# KiCad board Combined.kicad_pcb (continued)
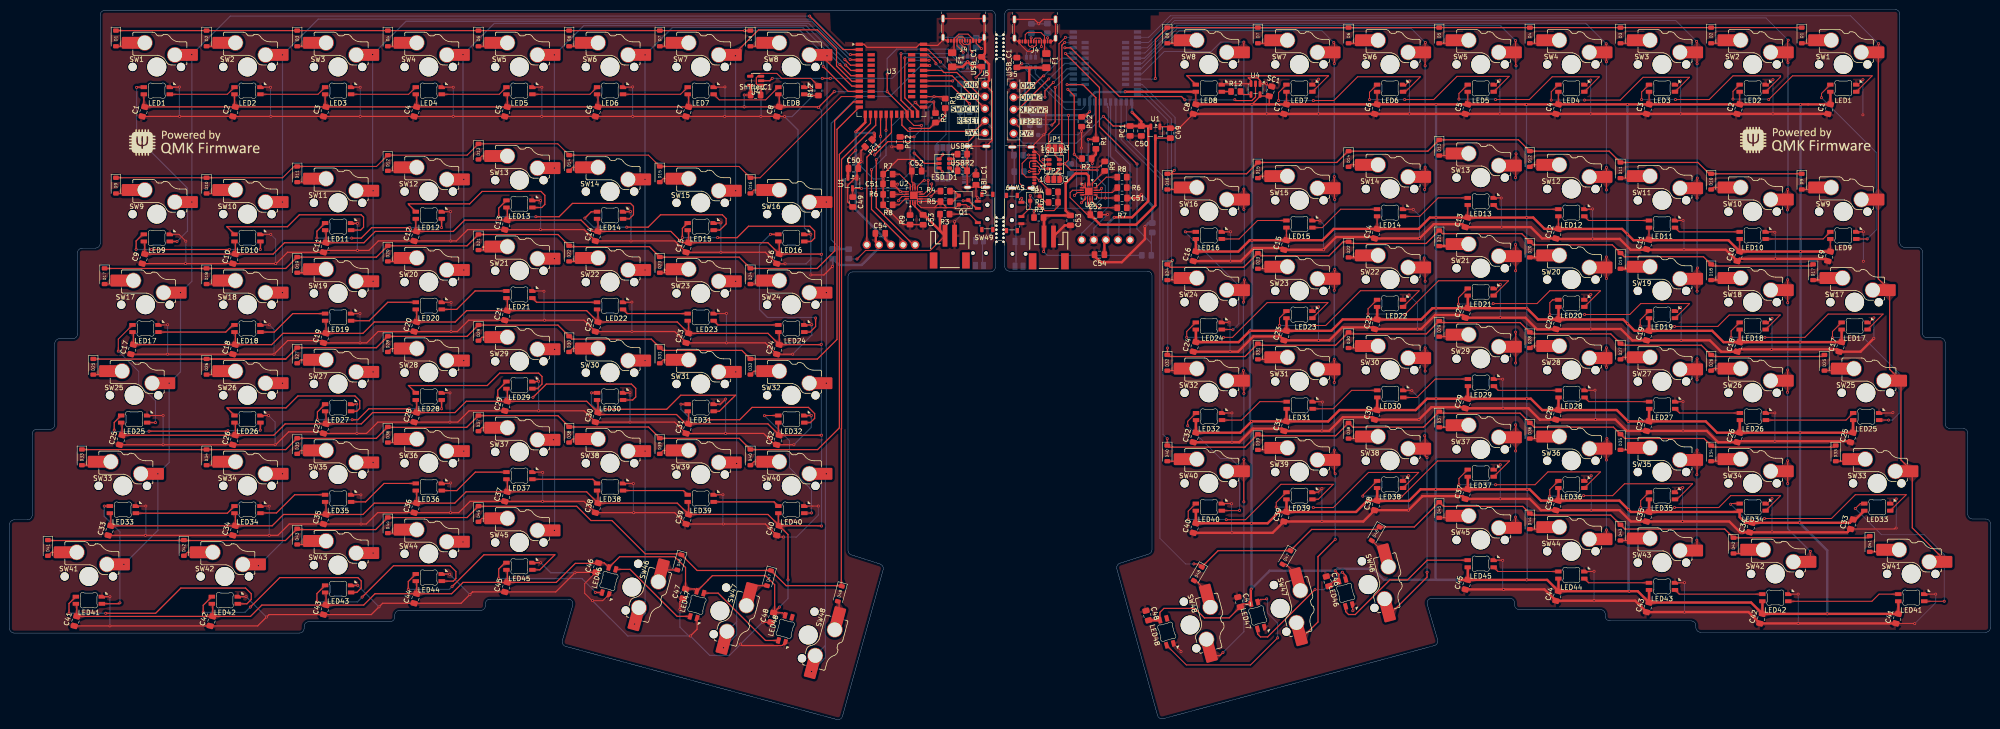
[diagram p0: board, top side]
## Routing (per net, layer and track width the routed paths; a pad name or vN(x,y) marks a point on that pad's centre or on a via; arc(x,y) is an arc through that point) (continued)
  Top w0.5: C53#2.2 221.77,103.93 J3.1 ; C25.1 386.7,58.52 v1(371.01,58.52) 363.3,58.52 C26.1 359.07,58.31 356.69,60.69 v1(351.71,60.69) C27#2.1 339.89,60.69 337.51,63.08 v1(333.31,63.08) C28#2.1 321.62,63.08 321.61,63.07 319.23,65.46 v1(313.91,65.46) C29.1 305.73,65.67 298.81,65.67 v1(296.22,63.08) C30.1 286.4,63.57 280.21,63.57 277.33,60.69 v1(275.81,60.69) C31.1 267.37,61.17 261.31,61.17 258.45,58.31 v1(256.91,58.31) C32#2.1 ; C50.2 178.39,116.78 v1(178.96,117.34) ; 364.31,39.37 C34.1 386.24,39.37 C33.1 ; 364.31,39.37 364.42,39.26 ; 364.31,39.37 363.71,39.37 361.44,41.64 v1(351.61,41.64) C35.1 340.74,41.64 338.36,44.03 v1(332.41,44.03) C36.1 321.86,44.03 319.48,46.41 v1(313.31,46.41) C37#2.1 305.38,46.97 296.91,46.97 296.91,46.93 v1(294.01,44.03) C38.1 284.51,41.64 v1(275.81,41.64) C39#2.1 265.46,39.26 v1(256.91,39.26) C40#2.1 ; v1(238.61,103.67) 238.61,101.02 233.76,96.17 229.31,96.17 228.02,97.46 C54#2.2 ; C1.1 v1(370.61,127.37) v1(351.21,127.37) v1(332.31,127.37) v1(313.21,127.37) v1(294.21,127.37) v1(275.11,127.37) v1(264.21,127.37) C8#2.1 ; C45.1 v1(314.01,27.36) 322.61,27.36 C44#2.1 v1(333.01,24.98) 341.66,24.98 C43#2.1 v1(352.01,22.59) 365.47,22.59 C42#2.1 v1(375.91,20.21) C41.1 ; J4.S1 205.01,143.28 205.01,140.08 USB_C1.2 205.86,137.83 205.86,134.4 J5.1 ; C24.1 v1(256.51,77.36) 258.2,77.36 261.41,80.57 267.02,80.57 C23#2.1 v1(275.11,79.74) 277.38,79.74 280.11,82.47 286.55,82.47 C22.1 v1(295.91,82.13) 296.67,82.13 299.61,85.07 305.38,85.07 C21.1 v1(313.31,84.51) 318.58,84.51 321.01,82.07 324.94,82.07 C20#2.1 v1(332.31,82.13) 338.66,82.13 341.04,79.74 C19.1 v1(351.31,79.74) 357.34,79.74 359.72,77.36 C18#2.1 363.57,77.84 v1(370.31,77.84) 384.04,77.84 C17#2.1 389.02,77.36 391.81,80.15 v1(391.81,80.17) ; v1(237.86,110.37) 237.16,109.67 C51#2.2 ; C9.1 381.66,96.89 v1(371.11,96.89) 363.57,96.89 C10#2.1 360.71,98.79 v1(351.91,98.79) 340.69,98.79 338.41,101.07 v1(332.71,101.07) 325.1,101.07 C12#2.1 322.11,101.18 319.73,103.56 v1(313.61,103.56) C13#2.1 305.33,104.17 299.31,104.17 v1(296.32,101.18) C14.1 286.6,101.47 278.81,101.47 v1(276.13,98.79) C15.1 267.49,99.15 261.49,99.15 258.75,96.41 v1(256.61,96.41) C16#2.1 ; PC1.2 179.72,120.46 ; OLED1.4 182.06,100.49 182.06,102.15 C54.2
  Bottom w0.2: v1(332.41,51.27) v1(332.41,44.03) ; v1(111.88,132.97) 111.88,126.86 v1(111.86,126.84) ; v1(92.68,43.5) 92.71,43.52 v1(92.71,49.74) ; v1(150.36,133.04) 150.36,126.89 v1(150.31,126.84) ; v1(275.11,134.67) v1(275.11,127.37) ; v1(130.98,126.84) 130.96,126.86 v1(130.96,133.04) ; v1(33.21,76.83) 33.23,76.86 v1(33.23,83.02) ; v1(313.61,103.56) 313.51,103.66 v1(313.51,109.67) ; v1(389.51,134.57) v1(389.51,127.17) ; v1(296.22,63.08) 296.22,67.67 v1(294.71,69.17) ; v1(55.83,57.78) 55.83,62.54 v1(54.43,63.94) ; v1(150.01,41.11) 149.93,41.19 v1(149.93,47.27) ; v1(400.41,20.17) 404.81,24.57 v1(404.81,26.37) ; v1(294.01,51.27) v1(294.01,44.03) ; v1(371.01,64.47) v1(371.01,58.52) ; v1(92.58,68.69) 92.58,62.57 v1(92.56,62.55) ; v1(352.01,28.77) v1(352.01,22.59) ; v1(131.18,43.5) 131.11,43.57 v1(131.11,49.62) ; v1(92.73,100.65) 92.66,100.72 v1(92.66,106.82) ; v1(313.31,53.57) v1(313.31,46.41) ; v1(73.88,41.11) 73.86,41.14 v1(73.86,47.24) ; v1(55.6,76.83) 55.6,82 v1(54.58,83.02) ; v1(55.93,95.88) 55.93,100.99 v1(54.91,102.02) ; 200.68,126.55 G_LED1.1 201.59,120.84 J1#2.S1 201.33,120.23 J1#2.A1 ; v1(333.01,31.17) v1(333.01,24.98) ; v1(295.01,107.27) 296.32,105.97 v1(296.32,101.18) ; v1(370.31,77.84) 370.41,77.94 v1(370.41,84.37) ; v1(313.81,33.47) 313.81,27.56 v1(314.01,27.36) ; v1(54.93,126.84) 54.86,126.91 v1(54.86,132.97) ; v1(275.81,48.57) v1(275.81,41.64) ; v1(198.61,104.69) v1(201.61,107.69) 203.41,109.49 v1(203.41,109.74) ; v1(112.33,90.07) 112.33,84.1 v1(112.46,83.98) ; v1(92.81,87.72) v1(92.81,81.6) ; v1(370.61,134.57) v1(370.61,127.37) ; v1(112.03,45.88) 112.06,45.9 v1(112.06,51.97) ; v1(275.91,66.77) 275.91,60.79 v1(275.81,60.69) ; v1(333.31,63.08) 333.31,69.17 v1(333.21,69.27) ; v1(225.26,112.67) v1(225.26,116.22) ; v1(225.31,123.72) 224.56,122.97 v1(217.36,122.97) 216.25,122.97 G_LED1#2.1 ; B_LED1#2.1 216.25,128.67 v1(217.86,128.67) ; v1(256.91,64.47) v1(256.91,58.31) ; v1(130.81,87.79) v1(130.81,81.6) ; v1(332.31,134.47) v1(332.31,127.37) ; v1(36.98,95.88) 37.06,95.96 v1(37.06,100.59) ; v1(73.71,132.97) v1(73.71,126.84) ; Reset_Btn1#2.2 212.71,95.59 ; v1(313.81,71.57) 313.81,65.56 v1(313.91,65.46) ; v1(389.61,102.57) v1(389.61,96.37) ; v1(375.91,26.37) v1(375.91,20.21) ; v1(150.66,85.42) 150.66,79.24 v1(150.68,79.21) ; ESD_D2.2 214.66,140.22 v1(214.96,140.52) ; v1(256.51,77.36) 256.51,83.37 v1(256.31,83.57) ; v1(351.71,66.87) v1(351.71,60.69) ; v1(351.21,86.67) 351.31,86.57 v1(351.31,79.74) ; v1(294.21,134.27) v1(294.21,127.37) ; v1(93.26,132.97) v1(93.26,126.84) ; v1(276.13,98.79) 276.13,104.15 v1(275.41,104.87) ; v1(313.31,91.47) v1(313.31,84.51) ; v1(371.11,96.89) 371.11,102.37 v1(371.01,102.47) ; v1(351.71,104.97) 351.91,104.77 v1(351.91,98.79) ; v1(295.91,82.13) 295.91,87.47 v1(294.11,89.27) ; v1(256.61,102.57) v1(256.61,96.41) ; v1(370.41,46.47) v1(370.41,39.47) ; v1(275.11,86.77) v1(275.11,79.74) ; v1(313.21,134.47) v1(313.21,127.37) ; v1(28.56,38.73) 28.66,38.83 v1(28.66,44.89) ; v1(169.98,44.89) 169.98,42.99 165.36,38.37 v1(162.68,38.37) ; v1(73.66,85.39) 73.66,79.24 v1(73.68,79.21) ; v1(396.51,46.37) v1(396.51,40.27) ; v1(256.81,45.37) 256.81,39.36 v1(256.91,39.26) ; v1(32.28,57.78) v1(32.28,63.94) ; v1(190.36,129.79) 185.41,124.84 v1(185.41,120.44) ; v1(391.81,80.17) v1(391.81,84.47) ; v1(54.58,44.87) v1(54.58,38.73) ; v1(351.61,48.77) v1(351.61,41.64) ; v1(332.71,107.37) v1(332.71,101.07) ; v1(332.31,89.37) v1(332.31,82.13) ; v1(351.21,134.27) v1(351.21,127.37)
  Bottom w0.25: R14.2 199.91,143.37 201.53,141.74 ; R14.2 R13#2.2 ; R14.2 199.53,143.37 199.43,143.46 J4.S1 196.27,143.37 ; ESD_D2#2.2 201.53,139.62 201.53,141.74 ; v1(73.21,28.22) 73.23,28.24 73.23,28.12 v1(77.66,23.69) ; 168.41,96.84 167.41,95.84 v1(163.01,95.84) ; 168.41,96.84 v1(168.41,102.04) 167.06,103.39 167.06,106.94 165.71,108.29 165.71,123.99 v1(162.91,126.79) 164.46,126.79 168.51,130.84 v1(168.51,132.94) ; 168.41,96.84 v1(168.41,93.49) ; v1(158.27,20.48) v1(153.64,15.85) 153.47,15.68 153.47,15.65 151.31,13.49 147.16,13.49 v1(143.08,17.57) ; J1.S1 211.16,112.18 USBR2#2.2 211.16,118.42 211.06,118.52 USBR1#2.2 210.74,118.99 J1.S1 J1.S1 ; R13.2 218.06,146.32 v1(216.31,146.32) R14#2.2 ; v1(130.61,100.65) 130.61,106.74 v1(130.51,106.84) ; 201.53,141.74 R13#2.2 ; v1(157.91,126.84) 157.94,126.88 v1(157.94,132.54) ; v1(21.11,25.84) v1(21.11,19.68) ; v1(73.11,104.34) v1(73.11,98.65) ; v1(183.61,113.69) 181.56,113.69 178.96,116.29 v1(178.96,117.34) ; J5.1 205.01,143.28 J4.S1 204.73,143.37 R13#2.2 ; OLED1#2.4 227.87,103.33 v1(230.76,106.22) ; v1(49.71,25.84) v1(54.01,21.54) ; v1(143.08,17.57) 142.76,17.57 140.88,19.44 v1(140.88,23.17) ; v1(143.08,17.57) 129.93,17.57 122.53,24.97 v1(122.53,24.99) ; v1(264.21,127.37) 264.16,127.42 v1(264.16,133.72) ; v1(118.83,30.87) 113.73,30.87 v1(111.63,32.97) ; v1(164.6,76.83) 168.61,80.84 v1(168.61,83.04) ; 200.68,126.55 200.68,130.43 B_LED1.1 ; v1(111.21,71.14) v1(111.21,64.93) ; R11#2.2 173.01,95.34 v1(172.96,95.29) ; v1(150.48,67.39) v1(150.48,60.16) ; v1(168.51,63.94) 168.51,61.44 v1(164.85,57.78) ; v1(111.61,109.14) v1(111.61,103.03) ; v1(130.41,68.74) v1(130.41,62.55) ; J1#2.S1 J1#2.S1 J1#2.S1 201.33,112.27 J1#2.A12 ; v1(149.51,104.44) v1(149.51,98.26) ; v1(225.26,120.17) v1(225.26,116.22) ; v1(35.71,133.02) 35.71,126.89 v1(35.76,126.84) ; v1(72.98,66.34) 72.98,60.19 v1(73.01,60.16) ; v1(96.76,26.29) v1(92.51,30.54)
  Bottom w0.5: OLED1.4 182.72,99.2 179.11,95.59 174.36,95.59 R11#2.2 ; v1(238.61,103.67) 239.36,104.42 R11.2 240.16,108.07 v1(237.86,110.37)
+BATT: length 87.8
  Top w0.2: U2#2.2 U2#2.3 ; C53.1 192.22,106.13 ; 196.61,103.34 J3#2.2 193.52,98.65 179.92,98.65 v1(178.11,96.84)
  Top w0.25: 190.31,107.83 189.81,108.33 U2.2 ; 190.31,107.83 C53.1 ; 190.31,107.83 U2.3 ; J3.2 217.41,98.52 v1(217.31,98.42)
  Top w0.5: R3.2 195.56,102.79 ; 195.56,102.79 192.22,106.13 ; 195.56,102.79 J3#2.2 ; J3.2 217.41,105.48 R3#2.2 217.75,106.01 C53#2.1 221.96,107.01 221.96,112.77 224.01,114.82 226.31,114.82 226.81,114.32 226.81,112.51
  Bottom w0.2: v1(178.11,96.84) 176.46,96.84 R10.1
  Bottom w0.25: R10#2.1 218.11,97.62 v1(217.31,98.42)
+VSW: length 109.7
  Top w0.2: C49#2.1 177.21,111.65 U1#2.3 177.17,111.69 v1(179.06,111.69) ; 227.06,106.23 C52.1 ; C52.1 227.12,107.91 226.81,108.22 v1(226.81,108.27) 227.06,108.52 U2#2.11 ; C52.1 226.51,106.17 222.89,109.79 222.89,110.79 223.42,111.32 U2#2.6 ; C52#2.1 189.62,113.08 v1(190.06,112.64) ; C52#2.1 189.62,115.88 ; C52#2.1 189.81,115.15 ; C52#2.1 189.66,115.34 ; v1(190.06,112.64) 190.31,112.39 U2.10 ; v1(190.06,112.64) 189.81,112.39 U2.11 ; v1(190.06,112.64) 190.11,112.69 ; v1(227.56,116.92) 227.56,117.82 R2#2.2 227.46,118.02 ; v1(193.81,112.64) 193.81,111.09 192.71,109.99 U2.6
  Top w0.25: U2#2.10 226.56,108.52 v1(226.81,108.27) ; v1(189.26,116.99) 189.26,115.7 C52#2.1 189.62,115.63 ; C49.1 240.92,122.28 U1.3 ; v1(189.26,124.32) 193.38,124.32 R2.2 195.16,125.54 196.66,127.04 R1#2.2
  Top w0.5: R2#2.2 228.31,118.87 R1.2 ; C52.1 229.22,104.07 236.76,104.07 240.81,108.12 U1.3
  Bottom w0.2: v1(179.06,111.69) 189.16,111.69 190.01,112.54 190.01,112.69 v1(190.06,112.64) v1(193.81,112.64) ; v1(227.56,116.92) 227.56,109.02 v1(226.81,108.27)
  Bottom w0.25: v1(189.26,124.32) v1(189.26,116.99)
BLUE_LED: length 21
  Top w0.25: v1(219.36,133.97) 217.61,132.22 v1(217.61,130.87) ; v1(198.21,134.29) 198.19,134.3 U3.30
  Bottom w0.25: v1(217.61,130.87) 217.51,130.97 R15#2.1 ; R15.1 200.31,135.14 199.06,135.14 v1(198.21,134.29) ; U3#2.30 222.26,136.87 v1(219.36,133.97)
BT_CHG: length 59.8
  Top w0.2: v1(192.26,113.39) 192.06,113.39 190.81,112.14 U2.9 190.81,111.74 ; v1(194.31,130.99) 193.26,130.99 193.24,131 U3.27
  Top w0.25: v1(222.26,133.52) 225.56,133.52 228.31,130.77 R1.1 v1(226.71,122.02) ; R1#2.1 196.31,130.59 195.91,130.99 v1(194.31,130.99) ; v1(225.26,108.67) 226.06,109.47 U2#2.9
  Bottom w0.2: v1(192.26,113.39) 192.26,128.94 v1(194.31,130.99)
  Bottom w0.25: v1(222.26,133.52) 223.51,133.52 U3#2.27 ; v1(226.71,122.02) 226.71,110.12 v1(225.26,108.67)
BT_PGOOD: length 53.9
  Top w0.2: R2#2.1 224.66,117.97 v1(223.76,118.87) ; v1(223.81,110.22) 224.41,110.82 U2#2.7 ; U2.7 192.16,110.49 193.06,111.39 v1(193.06,113.39) ; v1(194.26,129.89) 192.11,129.89 U3.26
  Top w0.25: R2.1 194.31,127.84 194.31,129.84 v1(194.26,129.89) ; v1(223.76,118.87) 223.76,131.17 v1(222.41,132.52)
  Bottom w0.2: v1(223.76,118.87) 224.26,118.37 224.26,110.67 v1(223.81,110.22) ; v1(193.06,113.39) 193.06,128.69 v1(194.26,129.89)
  Bottom w0.25: U3#2.26 223.51,132.52 v1(222.41,132.52)
CS: length 61.4
  Top w0.25: OLED1.5 180.18,118.26 185.34,123.43 U3.19
  Bottom w0.25: U3#2.19 230.74,129.45 230.74,128.78 230.96,128.78 230.96,118.18 230.96,107.87 225.33,102.24 OLED1#2.5
D+: length 42.1
  Top w0.25: U3.24 190.84,128.05 188.16,130.73 v1(188.16,139.14)
  Bottom w0.25: v1(188.16,139.14) 188.28,139.27 196.73,139.27 199.76,136.24 201.84,136.24 202.31,136.71 ESD_D2#2.4 ; U3#2.24 221.56,129.87 215.61,135.83 ESD_D2.4
D-: length 45.3
  Top w0.25: U3.23 189.74,127.85 187.36,130.24 v1(187.36,140.04)
  Bottom w0.2: U3#2.23 225.91,128.91 225.27,128.27 221.98,128.27 213.71,136.54 ESD_D2.6
  Bottom w0.25: v1(187.36,140.04) 197.61,140.04 200.41,137.24
GREEN_LED: length 28.7
  Top w0.25: v1(219.06,125.02) 219.76,125.72 v1(219.76,132.92) ; U3.29 198.04,133.2 v1(201.76,129.49)
  Bottom w0.25: U3#2.29 222.61,135.77 v1(219.76,132.92) ; R17#2.1 218.96,125.12 v1(219.06,125.02) ; v1(201.76,129.49) R17.1
LINK+: length 5.4
  Top w0.2: v1(196.16,118.84) 196.16,118.7 ESD_D1#2.4 ; JP2.2 219.46,114.64 ESD_D1.4
  Bottom w0.2: v1(196.16,118.84) JP2#2.2
LINK-: length 5.3
  Top w0.2: v1(196.11,115.14) 196.11,115.25 ESD_D1#2.6 ; JP1.2 219.71,118.68 ESD_D1.6
  Bottom w0.2: v1(196.11,115.14) JP1#2.2
MOSI: length 61.7
  Top w0.25: OLED1.1 189.97,99.83 182.16,107.64 v1(182.16,117.74) ; U3.17 183.06,127.22 v1(183.06,122.64)
  Bottom w0.25: v1(183.06,122.64) 183.06,118.64 v1(182.16,117.74) ; U3#2.17 232.51,119.67 235.49,116.69 OLED1#2.1
R_COL1: length 306.6
  Top w0.25: v1(259.41,45.77) 259.4,45.79 SW40.1 259.41,52.22 v1(259.41,54.67) ; v1(171.81,139.59) 171.67,139.73 SW8#2.1 171.67,138.58 177.04,133.2 U3.9 ; SW48#2.1 254.36,13.42 v1(255.01,14.07) ; v1(259.41,111.57) 259.41,109.37 SW16.1 259.4,107.29 v1(259.41,107.27) ; v1(259.31,87.77) 259.4,87.86 SW24.1 259.51,90.42 v1(259.51,92.47) ; SW8#2.1 171.35,139.78 ; v1(168.56,10.09) 168.47,10 SW48.1 ; SW8.1 259.4,142.46 v1(259.41,142.47) ; v1(259.31,73.37) 259.31,71.34 SW32#2.1 259.41,71.24 v1(259.41,68.57)
  Bottom w0.2: v1(259.41,142.47) 254.56,142.47 252.59,140.5 242.69,140.5 237.96,135.77 U3#2.9
  Bottom w0.25: v1(259.41,142.47) v1(259.41,111.57) ; 171.45,15.55 171.45,12.99 v1(168.56,10.09) ; 171.45,15.55 171.45,51.46 v1(171.67,51.67) v1(171.67,70.72) v1(171.67,89.77) v1(171.67,108.82) 171.81,108.96 v1(171.81,139.59) 171.81,139.57 ; 171.45,15.55 SW48.1 ; v1(259.41,107.27) 259.51,107.17 v1(259.51,92.47) ; v1(259.41,68.57) v1(259.41,54.67) ; v1(259.31,87.77) v1(259.31,73.37) ; v1(255.01,14.07) 259.41,18.47 v1(259.41,45.77)
R_COL2: length 338.8
  Top w0.2: SW7#2.1 278.45,142.24 v1(278.31,142.37)
  Top w0.25: v1(150.06,15.09) 150.04,15.07 SW47.1 ; v1(278.41,137.97) 278.45,138.01 SW7#2.1 ; U3.8 178.59,134.25 178.56,134.22 177.06,134.22 173.81,137.47 173.81,141.04 169.81,145.04 157.41,145.04 152.62,140.25 SW7.1 152.62,139.65 v1(152.56,139.59) ; v1(278.51,109.37) 278.45,109.44 SW15#2.1 278.41,111.77 v1(278.41,114.17) ; v1(278.41,75.77) 278.41,73.67 SW31.1 278.45,70.91 v1(278.41,70.87) ; v1(278.51,94.67) 278.51,92.75 SW23.1 278.45,90.31 v1(278.41,90.27) ; SW47#2.1 274.99,20.51 274.99,34.25 v1(278.61,37.87) ; v1(278.61,51.67) 278.45,51.84 SW39.1 278.41,54.62 v1(278.41,56.67) ; SW39#2.1 152.62,54.03 v1(152.81,53.84)
  Bottom w0.2: U3#2.8 237.81,136.87 245.81,144.87 275.81,144.87 v1(278.31,142.37)
  Bottom w0.25: v1(278.41,90.27) v1(278.41,75.77) ; v1(278.51,109.37) v1(278.51,94.67) ; 152.81,20.54 SW47.1 ; 152.81,20.54 152.81,17.84 v1(150.06,15.09) ; 152.81,20.54 v1(152.81,53.84) 152.81,72.92 v1(152.62,73.11) v1(152.62,92.16) v1(152.62,111.21) 152.62,139.53 v1(152.56,139.59) 152.56,139.64 ; v1(278.41,70.87) v1(278.41,56.67) ; v1(278.41,137.97) v1(278.41,114.17) ; v1(278.61,51.67) v1(278.61,37.87)
R_COL3: length 363
  Top w0.2: SW6.1 297.5,142.31 v1(297.56,142.37)
  Top w0.25: v1(133.56,113.59) 133.56,113.59 SW14#2.1 ; v1(297.41,111.47) 297.5,111.56 SW14.1 297.51,114.13 v1(297.51,116.17) ; v1(297.91,55.07) 297.51,55.47 297.51,56.95 SW38#2.1 297.5,59.59 v1(297.41,59.67) ; v1(297.91,30.97) 297.91,29.94 SW46.1 ; v1(297.51,137.47) 297.5,137.49 SW6.1 ; v1(297.51,73.27) 297.5,73.29 SW30.1 297.51,76.03 v1(297.51,78.17) ; v1(174.51,137.74) 176.84,135.4 U3.7 ; v1(297.31,97.07) 297.31,95.25 SW22#2.1 297.5,92.19 v1(297.51,92.17)
  Bottom w0.2: U3#2.7 238.02,137.97 245.32,145.27 294.66,145.27 v1(297.56,142.37)
  Bottom w0.25: v1(297.41,59.67) 297.51,59.77 v1(297.51,73.27) ; v1(297.51,137.47) v1(297.51,116.17) ; v1(174.51,137.74) 174.51,137.78 166.79,145.5 139.28,145.5 v1(133.57,139.78) ; v1(297.91,55.07) v1(297.91,30.97) ; SW46#2.1 133.57,24.8 ; 133.57,24.8 133.57,22.29 v1(131.35,20.07) ; 133.57,24.8 v1(133.57,56.44) v1(133.57,75.49) v1(133.57,94.54) 133.56,94.55 v1(133.56,113.59) 133.56,139.77 v1(133.57,139.78) ; v1(133.57,139.78) 133.57,139.78 ; v1(297.51,92.17) v1(297.51,78.17) ; v1(297.41,111.47) 297.41,97.17 v1(297.31,97.07)
R_COL4: length 357.3
  Top w0.25: SW29#2.1 114.53,77.87 v1(114.56,77.84) ; v1(316.51,81.47) 316.51,81.07 316.55,81.04 SW29.1 316.55,75.01 v1(316.51,74.97) ; v1(316.51,56.47) 316.55,56.51 SW37.1 316.55,61.64 316.51,61.67 v1(316.51,61.97) ; v1(316.51,94.37) 316.55,94.41 SW21.1 316.51,97.48 v1(316.51,99.87) ; SW45.1 316.51,40.33 v1(316.51,42.57) ; U3.6 176.84,136.5 v1(175.71,137.64) ; v1(114.31,58.84) 114.33,58.82 SW37#2.1 ; v1(316.51,113.97) 316.55,114.01 SW13.1 316.61,116.56 v1(316.61,118.97) ; v1(316.51,142.77) 316.51,140.35 SW5#2.1 316.55,137.54 v1(316.61,137.47)
  Bottom w0.25: v1(316.61,137.47) v1(316.61,118.97) ; v1(316.51,56.47) v1(316.51,42.57) ; U3#2.6 238.52,139.07 245.37,145.92 313.36,145.92 v1(316.51,142.77) ; v1(316.51,113.97) v1(316.51,99.87) ; v1(175.71,137.64) 167.4,145.95 120.68,145.95 v1(114.52,139.78) v1(114.52,115.97) v1(114.52,96.92) 114.56,96.88 v1(114.56,77.84) 114.56,59.09 v1(114.31,58.84) 114.56,58.59 114.56,39.81 v1(114.52,39.77) ; v1(316.51,74.97) v1(316.51,61.97) ; v1(316.51,94.37) v1(316.51,81.47)
R_COL5: length 400.4
  Top w0.2: SW4.1 335.56,140.35 v1(335.56,142.12)
  Top w0.25: v1(335.61,74.07) 335.6,74.09 SW28#2.1 335.61,76.03 v1(335.61,78.17) ; SW44#2.1 95.35,37.39 v1(95.31,37.34) ; SW4.1 335.6,138.34 v1(335.61,138.32) ; v1(95.31,139.84) 95.37,139.78 SW4#2.1 ; v1(335.61,111.37) 335.61,114.1 SW12#2.1 335.61,114.13 v1(335.61,116.07) ; v1(335.61,54.57) 335.6,54.59 SW36.1 335.71,57.08 v1(335.71,59.07) ; v1(335.61,92.77) 335.6,92.79 SW20#2.1 335.61,95.08 v1(335.61,97.27) ; v1(175.56,138.79) 176.74,137.6 U3.5 178.58,137.59 ; v1(335.61,39.87) 335.61,37.93 SW44.1
  Bottom w0.2: v1(335.56,142.12) 331.26,146.42 244.86,146.42 238.61,140.17 U3#2.5
  Bottom w0.25: v1(335.71,59.07) 335.61,59.17 v1(335.61,74.07) ; v1(335.61,54.57) v1(335.61,39.87) ; v1(335.61,138.32) v1(335.61,116.07) ; 95.31,37.84 v1(95.31,37.34) 95.47,37.5 v1(95.47,56.44) v1(95.47,75.49) v1(95.47,94.54) v1(95.47,113.59) 95.31,113.75 v1(95.31,139.84) 101.86,146.4 167.95,146.4 v1(175.56,138.79) ; v1(335.61,111.37) v1(335.61,97.27) ; v1(335.61,92.77) v1(335.61,78.17)
R_COL6: length 442.6
  Top w0.2: SW3.1 354.65,142.54 v1(354.56,142.62)
  Top w0.25: v1(176.66,138.79) 176.71,138.74 178.56,138.74 U3.4 ; v1(354.66,90.07) 354.65,90.09 SW19#2.1 354.65,94.86 v1(354.76,94.97) ; SW43.1 354.65,37.69 v1(354.61,37.72) ; v1(354.66,75.87) 354.65,75.86 SW27.1 354.65,71.44 v1(354.66,71.42) ; v1(354.61,51.47) 354.65,51.51 SW35#2.1 354.65,56.66 v1(354.66,56.67) ; v1(354.66,137.92) 354.65,137.94 SW3.1 ; v1(76.31,139.84) 76.37,139.78 SW3#2.1 ; v1(354.66,109.67) 354.65,109.69 SW11#2.1 354.65,113.81 v1(354.71,113.87)
  Bottom w0.2: v1(354.56,142.62) 350.16,147.02 244.86,147.02 239.11,141.27 U3#2.4
  Bottom w0.25: v1(354.66,56.67) 354.61,56.72 354.61,71.37 v1(354.66,71.42) ; v1(354.71,113.87) 354.66,113.92 v1(354.66,137.92) ; v1(176.66,138.79) 168.6,146.85 83.32,146.85 v1(76.31,139.84) 76.31,111.32 v1(76.42,111.21) v1(76.42,92.16) v1(76.42,73.11) v1(76.42,54.06) v1(76.42,35.01) ; v1(354.66,109.67) 354.66,95.07 v1(354.76,94.97) ; v1(354.66,90.07) v1(354.66,75.87) ; v1(354.61,51.47) v1(354.61,37.72)
R_COL7: length 490.1
  Top w0.2: v1(373.81,142.87) 373.7,142.76 SW2.1
  Top w0.25: U3.3 178.56,139.84 v1(176.71,139.84) ; v1(373.66,107.17) 373.7,107.21 SW10.1 373.7,111.46 v1(373.71,111.47) ; v1(373.76,138.12) 373.7,138.19 SW2.1 ; v1(378.46,35.37) 378.46,35.37 SW42.1 ; v1(373.71,73.52) 373.7,73.51 SW26.1 373.7,68.86 v1(373.66,68.82) ; v1(52.31,32.34) 52.59,32.62 SW42#2.1 ; v1(373.71,87.67) 373.7,87.69 SW18#2.1 373.7,92.46 v1(373.71,92.47) ; v1(373.71,49.62) 373.7,49.64 SW34#2.1 373.7,54.41 v1(373.71,54.42)
  Bottom w0.2: v1(373.81,142.87) 369.11,147.57 244.56,147.57 239.36,142.37 U3#2.3
  Bottom w0.25: v1(373.71,87.67) v1(373.71,73.52) ; v1(373.66,68.82) 373.66,54.47 v1(373.71,54.42) ; v1(373.71,49.62) 373.71,40.12 v1(378.46,35.37) ; v1(373.76,138.12) 373.76,111.52 v1(373.71,111.47) ; v1(373.66,107.17) 373.66,92.52 v1(373.71,92.47) ; v1(52.31,32.34) 57.37,37.4 v1(57.37,51.67) v1(57.37,70.72) v1(57.37,89.77) v1(57.37,108.82) v1(57.37,139.78) 64.89,147.3 168.97,147.3 176.43,139.84 v1(176.71,139.84)
R_COL8: length 534.8
  Top w0.2: SW1.1 392.81,140.38 v1(392.81,142.12)
  Top w0.25: v1(168.16,147.94) 175.19,140.9 U3.2 ; SW41#2.1 399.89,40.3 SW33.1 397.51,54.59 SW25#2.1 395.13,73.64 SW17#2.1 392.75,92.69 SW9.1 SW1.1 ; SW1#2.1 38.32,139.83 v1(38.31,139.84)
  Bottom w0.2: v1(392.81,142.12) 386.91,148.02 243.96,148.02 239.41,143.47 U3#2.2
  Bottom w0.25: v1(168.16,147.94) 46.41,147.94 v1(38.31,139.84) 38.31,108.83 v1(38.32,108.82) 38.32,92.16 v1(35.94,89.77) 35.94,73.11 v1(33.55,70.72) 33.55,54.06 v1(31.17,51.67) 31.17,39.77 v1(24.03,32.62)
R_LED1: length 5.1
  Top w0.2: LED8.3 167.28,131.24 R12.1 ; 254.71,131.97 LED8#2.3
  Top w0.25: R12#2.1 254.81,132.07 LED8#2.3
R_LED_3v3_1: length 87.9
  Top w0.2: U3.34 192.16,138.64 v1(193.26,138.64) ; v1(172.51,134.84) v1(170.81,134.84)
  Top w0.25: v1(257.51,130.37) 257.71,130.17 261.11,130.17 261.86,130.92 U4.2 ; v1(221.79,141.27) 223.01,141.27 233.26,131.02 246.31,131.02 v1(247.01,130.32) ; v1(160.31,134.84) 159.81,134.34 U4#2.2
  Bottom w0.2: v1(172.51,134.84) 185.51,134.84 189.29,138.63 193.24,138.63 v1(193.26,138.64) ; v1(160.31,134.84) v1(170.81,134.84)
  Bottom w0.25: v1(247.01,130.32) 257.46,130.32 v1(257.51,130.37) ; v1(221.79,141.27) U3#2.34
R_ROW1: length 314.4
  Top w0.25: U3.10 176.24,132.1 v1(171.01,137.34) ; D1#2.1 D8#2.1 240.81,143.02 v1(240.81,134.82) ; D1.1 D8.1 155.69,144.87 v1(154.51,144.87)
  Bottom w0.25: v1(154.51,144.87) 166.16,144.87 171.01,140.02 v1(171.01,137.34) ; U3#2.10 240.66,134.67 v1(240.81,134.82)
R_ROW2: length 332.4
  Top w0.2: U3.11 174.81,131 157.74,113.93 D16.1 153.32,116.32 D15.1 134.28,118.7 D14#2.1 115.22,121.08 D13.1 96.18,118.7 D12#2.1 77.12,116.32 D11#2.1 59.78,116.32 57.4,113.93 D10#2.1 D9#2.1 ; v1(244.79,115.5) 244.06,114.77 D16#2.1
  Top w0.25: D9.1 D10.1 357.21,114.77 357.16,114.72 357.16,114.82 354.83,117.15 D11.1 336.18,119.53 D12.1 317.13,121.91 D13#2.1 298.08,119.53 D14.1 281.31,119.53 278.93,117.15 D15#2.1 259.98,114.77 D16#2.1
  Bottom w0.2: v1(244.79,115.5) 244.96,115.67 244.96,126.63 238.02,133.57 U3#2.11
R_ROW3: length 379.4
  Top w0.2: v1(244.41,96.57) 243.56,95.72 D24#2.1
  Top w0.25: D17#2.1 378.71,95.39 357.95,95.39 D18#2.1 356.01,97.32 339.34,97.32 D19#2.1 336.84,99.82 320.17,99.82 D20.1 317.82,102.17 301.15,102.17 D21#2.1 297.72,100.12 281.77,100.12 D22#2.1 280.27,100.48 277.31,97.52 262.94,97.52 D23#2.1 259.38,95.12 243.91,95.12 D24#2.1 ; D17.1 20,94.86 41.38,94.86 D18.1 41.44,94.86 58.05,94.86 D19.1 60.49,97.24 77.1,97.24 D20#2.1 79.54,99.62 96.15,99.62 D21.1 98.59,102 115.25,102 D22.1 117.81,99.44 134.51,99.44 134.87,99.08 134.87,99.05 D23.1 136.69,97.24 153.35,97.24 D24.1 155.74,94.86 169.72,94.86 173.41,98.54 173.41,125.94 177.37,129.9 U3.12
  Bottom w0.2: v1(244.41,96.57) 244.19,96.8 244.19,126.31 238.02,132.47 U3#2.12
